# Altium PCB Copy of cam_5nd_v1.3.PcbDoc (part 1 of 2) (continued)
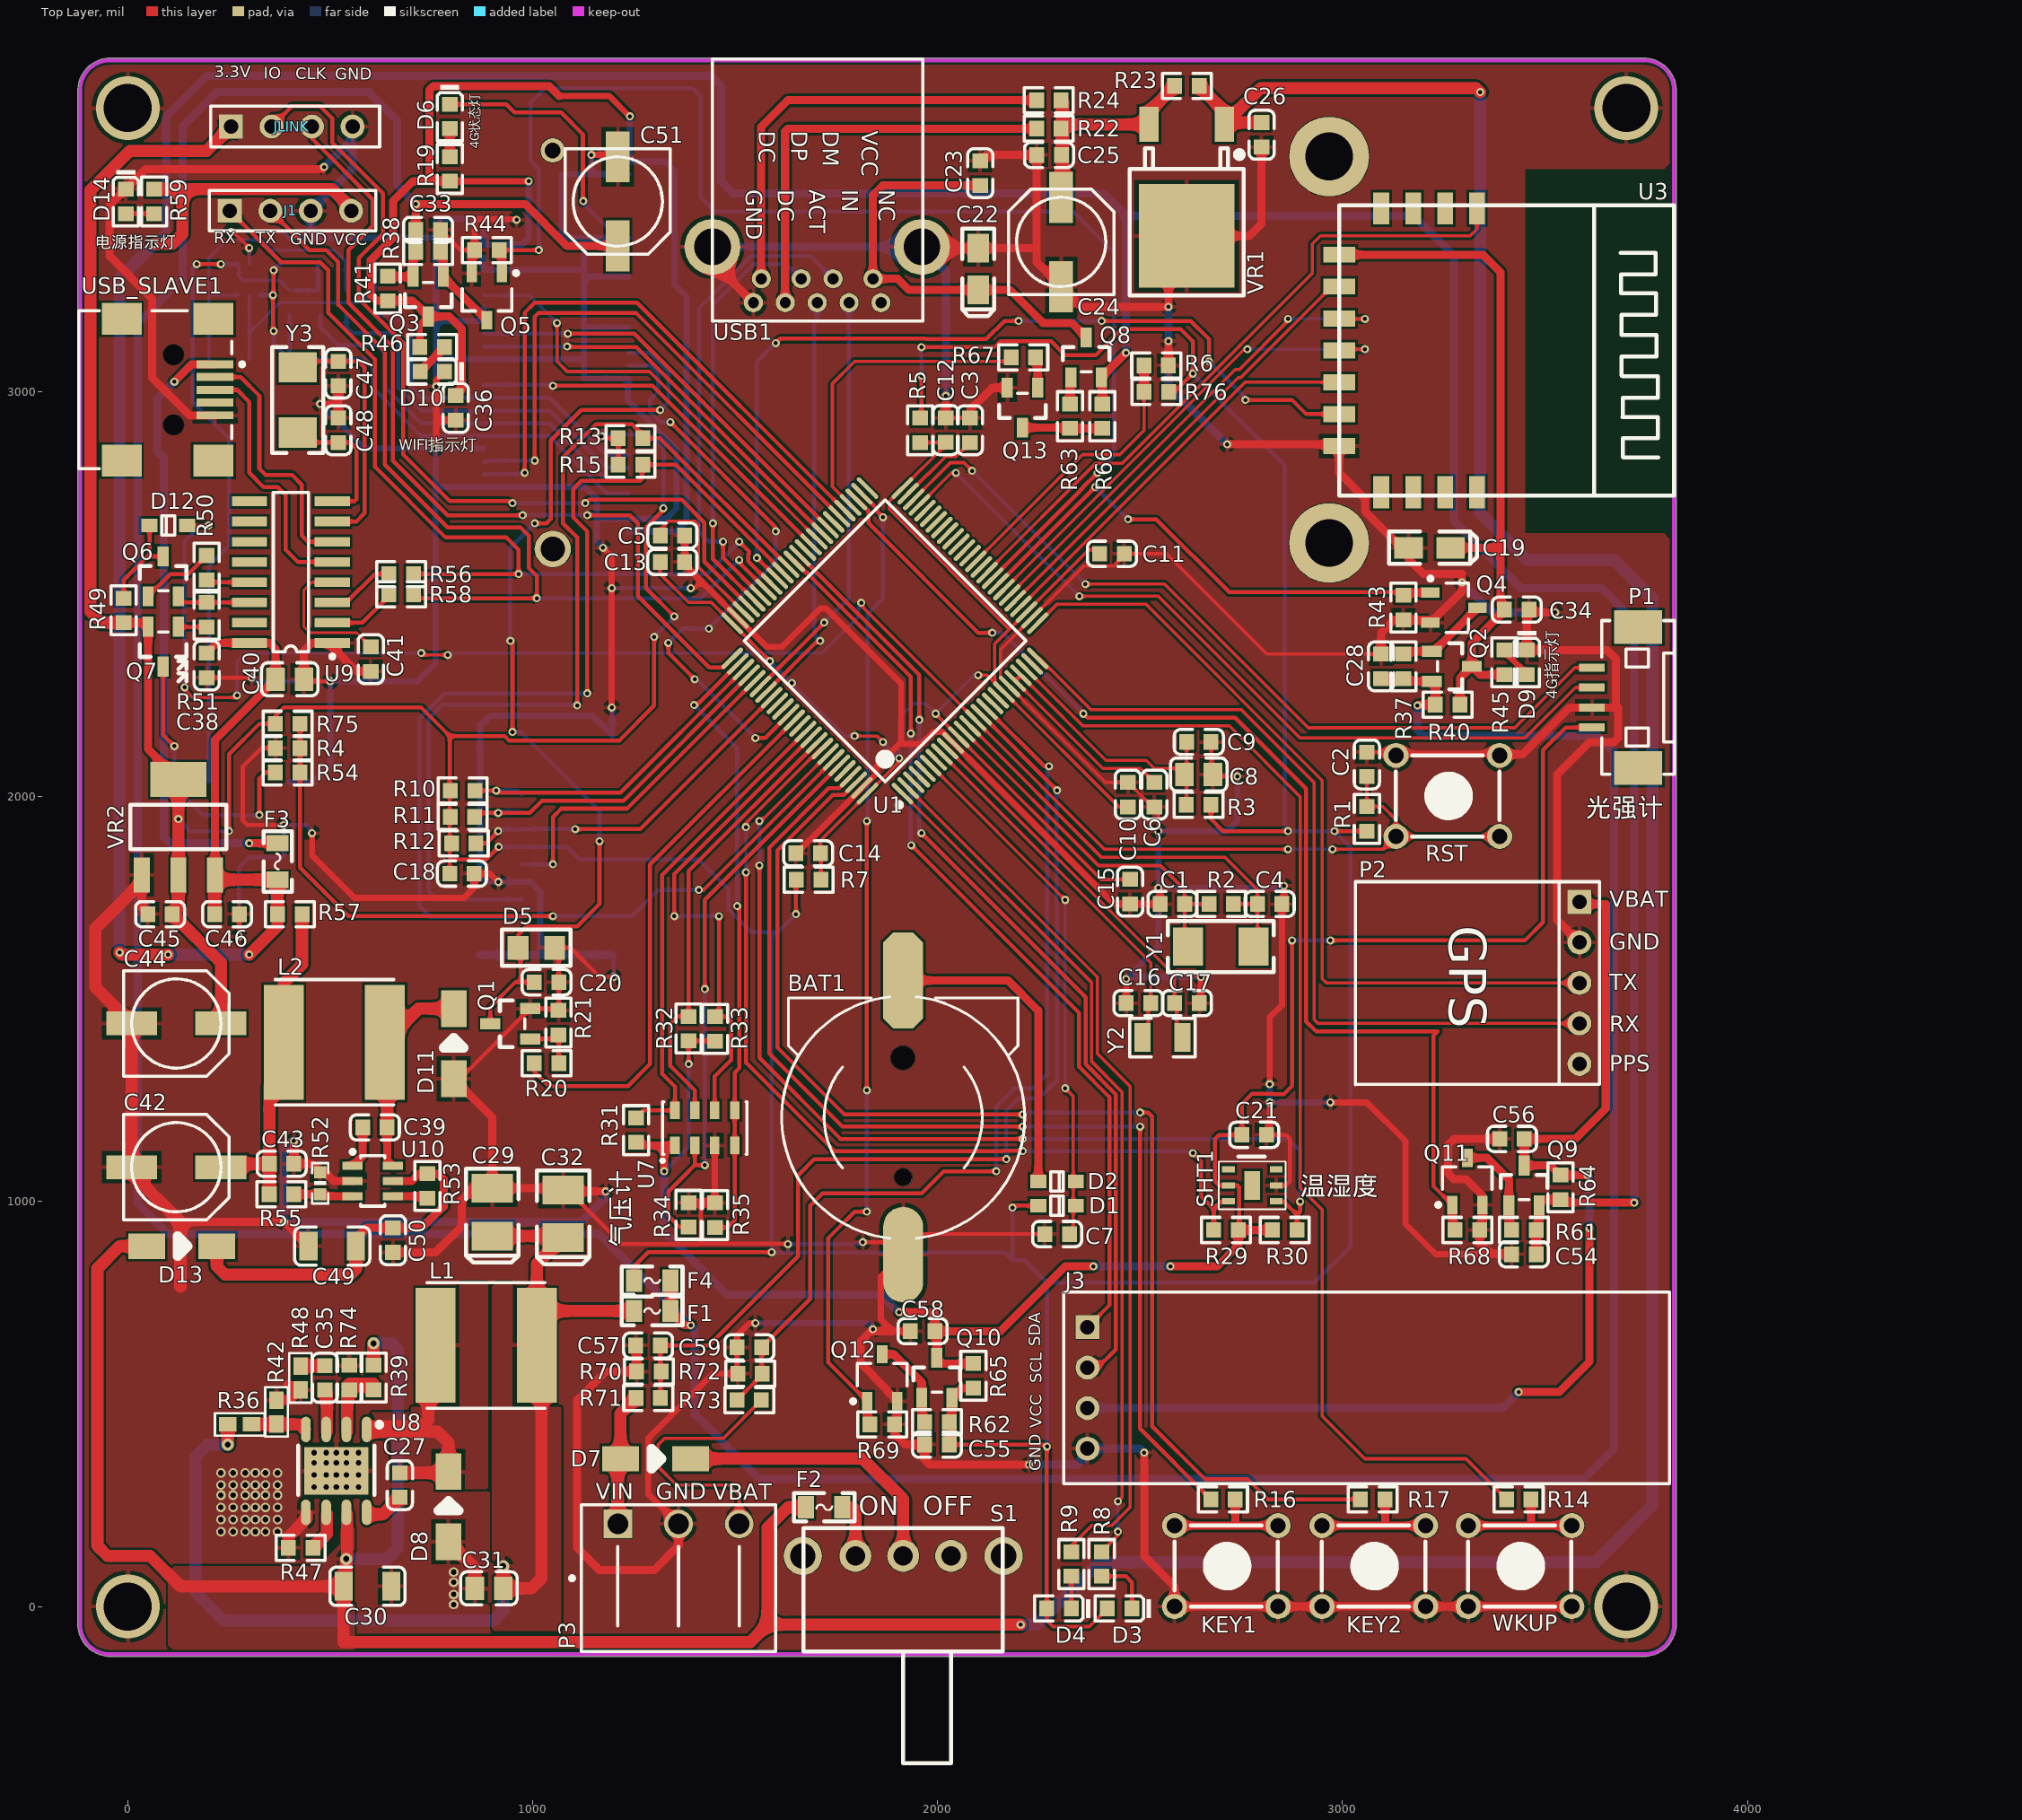
[diagram p0: Top Layer view]
## Components (designator, comment, footprint, x,y, rotation, side; value= is the part's Value field where it differs from the comment) (continued)
R44 "100KΩ (1003) ±1%" 0603_R 886.57,3350 r0 top
R45 "1KΩ (1001) ±1%" 0603_R 3400,2331.57 r90 top
R46 "1KΩ (1001) ±1%" 0603_R 751.57,3110 r0 top
R47 "200KΩ (2003) ±1%" 0603_R 426.89,145 r180 top
R48 "68.1k" R1608(0603) 426.89,564.53 r90 top
R49 "10KΩ (1002) ±1%" 0603_R -10,2460 r270 top
R50 "1KΩ (1001) ±1%" 0603_R 195,2565.32 r270 top
R51 "1KΩ (1001) ±1%" 0603_R 195,2449.69 r270 top
R52 "9.53K" 0603P 475,1045.39 r90 top
R53 "100KΩ (1003) ±1%" 0603_R 740,1038.7 r270 top
R54 "1KΩ (1001) ±1%" 0603_R 395,2060 r0 top
R55 "49.9KΩ (4992) ±1%" 0603_R 379.69,1018.39 r0 top
R56 "0Ω (0R0) ±1%" 0603_R 675,2550 r0 top
R57 "0Ω (0R0) ±1%" 0603_R 400,1710 r180 top
R58 "0Ω (0R0) ±1%" 0603_R 675,2500 r0 top
R59 "4.7KΩ (4701) ±1%" 0603_R 65,3470.32 r270 top
R61 "100KΩ (1003) ±1%" 0603_R 3447.8,930 r0 top
R62 "100KΩ (1003) ±1%" 0603_R 1998.11,455 r0 top
R63 "10KΩ (1002) ±1%" 0603_R 2326.89,2939.68 r90 top
R64 "0Ω (0R0) ±1%" 0603_R 3538.11,1035 r270 top
R65 "0Ω (0R0) ±1%" 0603_R 2088.11,569.69 r270 top
R66 "100KΩ (1003) ±1%" 0603_R 2406.89,2939.68 r90 top
R67 "4.7KΩ (4701) ±1%" 0603_R 2211.57,3085 r0 top
R68 "100KΩ (1003) ±1%" 0603_R 3308.43,930 r180 top
R69 "100KΩ (1003) ±1%" 0603_R 1863.11,450 r180 top
R70 "1KΩ (1001) ±0.1%" 0603_R 1286.89,580.04 r0 top
R71 "10KΩ (1002) ±0.1%" 0603_R 1285.32,515 r180 top
R72 "1KΩ (1001) ±0.1%" 0603_R 1536.89,575.04 r0 top
R73 "10KΩ (1002) ±0.1%" 0603_R 1534.68,510 r0 top
R74 "NC" 0603_R 546.89,565.32 r270 top
R75 "NC" 0603_R 395,2180 r0 top
R76 "NC" 0603_R 2540,3000 r180 top
R77 "15KΩ (1502) ±1%" 0603_R 400,3220 r270 bottom
R78 "22Ω (22R0) ±1%" 0603_R 540,3220.31 r90 bottom
R79 "22Ω (22R0) ±1%" 0603_R 470,3219.69 r270 bottom
R80 "22Ω (22R0) ±1%" 0603_R 610,3220.31 r90 bottom
RST "RESET" KEY_M 3131.89,2101.89 r0 top
S1 "SW_1" SS-12F23 1915,125 r270 top
SHT1 "SHT21" SHT21 2717.83,980.94 r0 top
U1 "STM32F407VGT6" LQFP-100_14x14x05P 1870,2385 r45 top
U2 "PICE-4G" MC2716 878.31,2639.33 r270 bottom
U3 "WIFI" ESP8266 2991.34,2751.89 r0 top
U5 "SIM" "SIM卡 翻盖式" 200,2036.69 r270 bottom
U6 "SMF05CT1G" SC-70-6(SOT-363) 300,3276.81 r270 bottom
U7 "MS5611" MS5611-01BA 1425,1181.89 r90 top
U8 "MP1584DN" SOIC-8_EP_150mil 515,335 r180 top
U9 "CH340G" SOP16M 402.64,2554.68 r90 top
U10 "MP2359" SOT-23-6 555,1088.19 r0 top
USB1 "camera" USB3.0 1961.18,3357.8 r180 top
USB_SLAVE1 "USB-B(Mini)" USB/SM0.8-6H5 -93.58,3004.8 r180 top
VR1 "CJ7812" TO-252-2-180 2615,3660.59 r270 top
VR2 "AMS1117-3.3" SOT-223 125,1925 r270 top
WKUP "KEY" KEY_M 3310,200 r0 top
Y1 "8MHz ±20ppm 20pF" SMD-5032_2P 2699.29,1630 r180 top
Y2 "32.768KHz ±20ppm 12.5pF" "SMD-3215_2P FC - 135" 2555,1405 r180 top
Y3 "12MHz" SMD-5032_2P 420,2980 r270 top

## Footprints (in the part's own frame and the unit in brackets; to place one, negate y for a bottom-side part, rotate by r counter-clockwise, add the part's x,y. Pads: shape width x height; smd on the part's side, far side on the other; paste and mask are expansions set on the pad)
"4P - JLINK" [mm] "Connector; Header; 4 Position"
  rect 1.5x1.5 hole 0.9: 1(0,0)
  round 1.5 hole 0.9: 2(2.54,0) 3(5.08,0) 4(7.62,0)
  silkscreen extent -1.27,-1.27 9.32,1.27
"4P - OLED" [mm] "Connector; Header; 4Position"
  rect 1.5x1.5 hole 0.9: 1(0,0)
  round 1.5 hole 0.9: 2(0,-2.54) 3(0,-5.08) 4(0,-7.62)
  silkscreen extent -1.5,-9.81 36.5,2.19
"4P - UART - 2" [mm] "Connector; Header; 4 Position"
  rect 1.5x1.5 hole 0.9: 1(0,0)
  round 1.5 hole 0.9: 2(2.54,0) 3(5.08,0) 4(7.62,0)
  silkscreen extent -1.27,-1.27 9.17,1.27
5p-gps [mm] "Connector; Header; 5 Position"
  rect 1.5x1.5 hole 0.9: 1(0,0)
  round 1.5 hole 0.9: 2(2.54,0) 3(5.08,0) 4(7.62,0) 5(10.16,0)
  silkscreen extent -1.27,-14.05 11.46,1.27
0603_C [mm]
  rect 0.93x0.98 smd: 1(-0.77,0) 2(0.77,0)
  silkscreen extent -1.53,-0.79 1.54,0.79, body extent -0.8,-0.4 0.8,0.4, height 0.3
0603_LED_S1 [mm]
  rect 0.93x0.98 smd: A(0.77,0) K(-0.77,0)
  silkscreen extent -1.98,-0.79 1.54,0.79, body extent -0.8,-0.4 0.8,0.4, height 0.6
0603_R [mm]
  rect 0.93x0.98 smd: 1(-0.77,0) 2(0.77,0)
  silkscreen extent -1.53,-0.79 1.54,0.79, body extent -0.85,-0.4 0.85,0.4, height 0.56
0603P [mil]
  rect 30x30 smd: 1(-27,0) 2(27.5,-0.06)
  silkscreen extent -50,-20 50,20
0805_C [mm]
  rect 1.16x1.47 smd: 1(-0.89,0) 2(0.89,0)
  silkscreen extent -1.77,-1.04 1.77,1.04, body extent -1,-0.62 1,0.63, height 0.77
1206_C [mm]
  rect 1.13x1.8 smd: 1(-1.49,0) 2(1.49,0)
  silkscreen extent -2.36,-1.2 2.35,1.2, body extent -1.6,-0.81 1.6,0.79, height 1
BATM [mm]
  round 1.1 hole 1.1 unplated: 0(0,3.748)
  round 1.5 hole 1.5 unplated: 0(0.025,-3.752)
  oct 2.5x6 smd: 1(0,-8.602)
  oval 2.5x6 smd: 2(0,8.598)
  silkscreen extent -7.62,-7.58 7.62,7.57
CASE-A_3216 [mm]
  rect 1.8x1.35 smd: 1(1.31,0) 2(-1.31,0)
  silkscreen extent -2.54,-1 2.97,1, body extent -1.7,-0.84 1.7,0.84, height 1.71
CASE-B_3528 [mm]
  rect 1.8x2.6 smd: 1(1.5,0) 2(-1.5,0)
  silkscreen extent -2.73,-1.65 3.16,1.65, body extent -1.85,-1.47 1.85,1.46, height 2.03
CC6.56.5 [mm]
  rect 3.2x1.5 smd: 1(-2.794,0) 2(2.8,0)
  silkscreen extent -3.3,-3.3 3.3,3.3
D0805 [mm]
  rect 1.3x1.5 smd: 1(-1.143,0) 2(1.143,0)
  silkscreen extent -2.16,-1.14 2.16,1.14, body extent -1,-0.63 1,0.63, height 0.6
ESP8266 [mm] "Anylink-ESP8266"
  rect 2x1 smd: 1(0,14.9) 2(0,12.9) 3(0,10.9) 4(0,8.9) 5(0,6.9) 6(0,4.9) 7(0,2.9)
  rect 1x2 smd: 8(2.65,0) 9(4.65,0) 10(6.65,0) 11(8.65,0) 12(8.65,17.8) 13(6.65,17.8) 14(4.65,17.8) 15(2.65,17.8)
  silkscreen extent 0,-0.2 21,18
"FU 0805" [mil] "贴片保险丝"
  rect 40x55 smd: 1(-45,0) 2(45,0)
  silkscreen extent -75,-35 75,35, body extent -39,-24 39,24, height 20
HDR_3R81X3_15EDG [mil] "HDR_3R81X3_15EDG"
  rect 70.87x70.87 / inner round 60 / far side rect 70.87x70.87 hole 51.18: 1(-150,133.86)
  round 70.87 / inner round 60 / far side round 70.87 hole 51.18: 2(0,133.86) 3(150,133.86)
  silkscreen extent -268,-181 241,181
KEY_M [mil]
  round 62 hole 38: 1(0,0) 1(255.91,0) 2(0,-200) 2(255.91,-200)
  silkscreen extent 0,-200 255,0
L_SOP74 [mm]
  rect 2.5x7.2 smd: 1(0,0) 2(6.35,0)
  silkscreen extent -0.51,-3.94 6.89,3.94
LQFP-100_14x14x05P [mm]
  oval 0.28x1.8 smd mask+0.051: 1(-6,-7.55) 2(-5.5,-7.55) 3(-5,-7.55) 4(-4.5,-7.55) 5(-4,-7.55) 6(-3.5,-7.55) 7(-3,-7.55) 8(-2.5,-7.55) 9(-2,-7.55) 10(-1.5,-7.55) 11(-1,-7.55) 12(-0.5,-7.55) 13(0,-7.55) 14(0.5,-7.55) 15(1,-7.55) 16(1.5,-7.55) 17(2,-7.55) 18(2.5,-7.55) 19(3,-7.55) 20(3.5,-7.55) 21(4,-7.55) 22(4.5,-7.55) 23(5,-7.55) 24(5.5,-7.55) 25(6,-7.55) 51(6,7.55) 52(5.5,7.55) 53(5,7.55) 54(4.5,7.55) 55(4,7.55) 56(3.5,7.55) 57(3,7.55) 58(2.5,7.55) 59(2,7.55) 60(1.5,7.55) 61(1,7.55) 62(0.5,7.55) 63(0,7.55) 64(-0.5,7.55) 65(-1,7.55) 66(-1.5,7.55) 67(-2,7.55) 68(-2.5,7.55) 69(-3,7.55) 70(-3.5,7.55) 71(-4,7.55) 72(-4.5,7.55) 73(-5,7.55) 74(-5.5,7.55) 75(-6,7.55)
  oval 1.8x0.28 smd mask+0.051: 26(7.55,-6) 27(7.55,-5.5) 28(7.55,-5) 29(7.55,-4.5) 30(7.55,-4) 31(7.55,-3.5) 32(7.55,-3) 33(7.55,-2.5) 34(7.55,-2) 35(7.55,-1.5) 36(7.55,-1) 37(7.55,-0.5) 38(7.55,0) 39(7.55,0.5) 40(7.55,1) 41(7.55,1.5) 42(7.55,2) 43(7.55,2.5) 44(7.55,3) 45(7.55,3.5) 46(7.55,4) 47(7.55,4.5) 48(7.55,5) 49(7.55,5.5) 50(7.55,6) 76(-7.55,6) 77(-7.55,5.5) 78(-7.55,5) 79(-7.55,4.5) 80(-7.55,4) 81(-7.55,3.5) 82(-7.55,3) 83(-7.55,2.5) 84(-7.55,2) 85(-7.55,1.5) 86(-7.55,1) 87(-7.55,0.5) 88(-7.55,0) 89(-7.55,-0.5) 90(-7.55,-1) 91(-7.55,-1.5) 92(-7.55,-2) 93(-7.55,-2.5) 94(-7.55,-3) 95(-7.55,-3.5) 96(-7.55,-4) 97(-7.55,-4.5) 98(-7.55,-5) 99(-7.55,-5.5) 100(-7.55,-6)
  silkscreen extent -6.8,-8.05 6.25,6.25
MC2716 [mm]
  round 1.524 hole 0.991: 0(-24.3,-4.35)
  round 2.286 hole 1.524: 0(0.7,-4.35)
  rect 0.4x2.5 smd: 1(0,0) 2(-0.4,-9.1) 3(-0.8,0) 4(-1.2,-9.1) 5(-1.6,0) 6(-2,-9.1) 7(-2.4,0) 8(-2.8,-9.1) 9(-3.2,0) 10(-3.6,-9.1) 11(-4,0) 12(-4.4,-9.1) 13(-4.8,0) 14(-5.2,-9.1) 15(-5.6,0) 16(-6,-9.1) 17(-9.6,0) 18(-10,-9.1) 19(-10.4,0) 20(-10.8,-9.1) 21(-11.2,0) 22(-11.6,-9.1) 23(-12,0) 24(-12.4,-9.1) 25(-12.8,0) 26(-13.2,-9.1) 27(-13.6,0) 28(-14,-9.1) 29(-14.4,0) 30(-14.8,-9.1) 31(-15.2,0) 32(-15.6,-9.1) 33(-16,0) 34(-16.4,-9.1) 35(-16.8,0) 36(-17.2,-9.1) 37(-17.6,0) 38(-18,-9.1) 39(-18.4,0) 40(-18.8,-9.1) 41(-19.2,0) 42(-19.6,-9.1) 43(-20,0) 44(-20.4,-9.1) 45(-20.8,0) 46(-21.2,-9.1) 47(-21.6,0) 48(-22,-9.1) 49(-22.4,0) 50(-22.8,-9.1) 51(-23.2,0) 52(-23.6,-9.1)
  round 5 hole 3: 53(-23.92,-53.05) 54(0.316,-53.05)
  rect 1.8x2.5 smd: 55(-26.95,0.15)
  rect 2x2.5 smd: 56(3.35,0.15)
  silkscreen extent -27.77,-55.66 4.24,-1.44
MS5611-01BA [mm] "SON, 8-Leads, Body 5.00x3.00mm, Pitch 1.25mm, IPC Medium Density"
  rect 1.1x0.6 smd: 1(-1.1,1.875) 2(-1.1,0.625) 3(-1.1,-0.625) 4(-1.1,-1.875) 5(1.1,-1.875) 6(1.1,-0.625) 7(1.1,0.625) 8(1.1,1.875)
  silkscreen extent -2.15,-2.65 1.65,2.75, body extent -1.5,-2.5 1.5,2.5, height 1.8
R1608(0603) [mm] "Chip Resistance, 2-Leads, Body 1.60x0.80mm, IPC Medium Density"
  rect 1.1x0.9 smd: 1(-0.75,0) 2(0.75,0)
  silkscreen extent -1.55,-0.7 1.55,0.72, body extent -0.88,-0.45 0.87,0.45, height 0.4
SC-70-6(SOT-363) [mm]
  rect 1x0.42 smd mask+0.051: 1(-0.97,0.65) 2(-0.97,0) 3(-0.97,-0.65) 4(0.97,-0.65) 5(0.97,0) 6(0.97,0.65)
  silkscreen extent -1.32,-1 0.2,1.52, body extent -1.2,-1.1 1.2,1.1, height 1.1
SDCARD_SLOT [mil] "500901-0801"
  rect 57x80 smd: 0(-270.67,-141.73) 0(-270.67,185.05) 0(270.67,-141.73) 0(270.67,185.05)
  rect 32x60 smd: 1(-125.98,82.68) 2(-82.68,82.68) 3(-39.37,82.68) 4(3.94,82.68) 5(47.24,82.68) 6(90.55,82.68) 7(133.86,82.68) 8(177.17,82.68)
  silkscreen extent -268,-285 268,285
SHT21 [mm]
  rect 0.8x0.4 smd: 1(3,0.5) 2(3,1.5) 3(3,2.5) 4(0,2.5) 5(0,1.5) 6(0,0.5)
  rect 1x1.8 smd: 8(1.5,1.5)
  silkscreen extent -0.6,0 3.6,3.3
"SIM卡 翻盖式" [mm]
  oval 3x1 smd: 1(-26.5,-5.08) 2(-26.5,-2.54) 3(-26.5,0) 4(0,-5.08) 5(0,-2.54) 6(0,0)
  silkscreen extent -27.1,-9.89 3.3,7.96
SMA(DO-214AC) [mm]
  rect 2.3x1.6 smd: 1(-2.2,0) 2(2.2,0)
  silkscreen extent -0.25,-0.64 0.38,0.64
"SMD-3215_2P FC - 135" [mm]
  rect 1x1.8 smd: 1(-1.25,0) 2(1.25,0)
  silkscreen extent -2.05,-1.2 2.05,1.2
SMD-5032_2P [mm]
  rect 1.9x2.4 smd: 1(-2.05,0) 2(2.05,0)
  silkscreen extent -3.32,-1.6 3.32,1.6
SOD-323 [mm]
  rect 1x0.83 smd: 1(1.18,0) 2(-1.18,0)
  silkscreen extent -0.4,-0.6 0.4,0.6, body extent -1.35,-0.62 1.35,0.63, height 1.1
SOIC-8_EP_150mil [mm]
  rect 4x3 smd: 0(0,0)
  oval 0.6x1.6 smd: 1(-1.905,-2.6) 2(-0.635,-2.6) 3(0.635,-2.6) 4(1.905,-2.6) 5(1.905,2.6) 6(0.635,2.6) 7(-0.635,2.6) 8(-1.905,2.6)
  silkscreen extent -2.85,-3.05 2.4,1.5
SOP16M [mm]
  rect 0.6x2.2 smd: 1(-4.445,-2.6) 2(-3.175,-2.6) 3(-1.905,-2.6) 4(-0.635,-2.6) 5(0.635,-2.6) 6(1.905,-2.6) 7(3.175,-2.6) 8(4.445,-2.6) 9(4.445,2.6) 10(3.175,2.6) 11(1.905,2.6) 12(0.635,2.6) 13(-0.635,2.6) 14(-1.905,2.6) 15(-3.175,2.6) 16(-4.445,2.6)
  silkscreen extent -5.42,-2.72 5,1.1
SOT-23(SOT-23-3) [mm]
  rect 1.25x0.7 smd: 1(1.25,-0.95) 2(1.25,0.95) 3(-1.25,0)
  silkscreen extent -0.65,-1.46 0.9,1.46, body extent -1.5,-1.5 1.5,1.5, height 1.3
SOT-23-3L [mm] "http://www.aosmd.com/res/packaging_information/SOT-23-3L.pdf"
  rect 1.15x0.65 smd: 1(1.475,-0.95) 2(1.475,0.95) 3(-1.475,0)
  silkscreen extent -0.9,-1.95 1.6,1.55, body extent -0.9,-1.55 0.9,1.55, height 1.25
SOT-23-6 [mil]
  rect 50x20 smd: 1(0,0) 2(0,-37.4) 3(0,-74.8) 4(100,-74.8) 5(100,-37.4) 6(100,0)
  silkscreen extent 0,-99 80,35
SOT-223 [mm]
  rect 2.2x1 smd: 1(3,-2.3) 2(3,0) 3(3,2.3)
  rect 2.2x3.5 smd: 2(-3,0)
  silkscreen extent -1.4,-3 1.4,3, body extent -3.49,-3.24 3.49,3.24, height 1.64
SS-12F23 [mm] "脚距3mm"
  round 2.4 hole 1.6: 0(0,6.3) 0(0,-6.3)
  round 2 hole 1.2: 1(0,3) 2(0,0) 3(0,-3)
  silkscreen extent -1.75,-6.25 13,6.25, body extent -0.61,-6.52 12.29,6.48, height 5.75
TO-252-2-180 [mm] "180度编带包装"
  rect 2.2x1.2 smd: 1(0,2.361) 3(0.004,-2.361)
  rect 6.5x6 smd: 2(7,0)
  silkscreen extent 1.5,-3.57 10.75,3.57, body extent -0.2,-3.27 9.74,3.27, height 2.44
"TX1.25 SMD-4P" [mm] "4脚贴片，长：10.25mm，宽：4.4mm，高：3.5mm"
  rect 2.1x3 smd: 0(-4.425,0) 0(4.425,0)
  rect 0.5x1.6 smd: 1(-1.875,2.9) 2(-0.625,2.9) 3(0.625,2.9) 4(1.875,2.9)
  silkscreen extent -4.83,-2.29 4.83,2.29
USB3.0 [mm]
  round 1.2 hole 0.7: 1(3.07,2) 2(5.57,2) 3(7.57,2) 4(10.07,2) 5(10.57,3.5) 6(8.57,3.5) 7(6.57,3.5) 8(4.57,3.5) 9(2.57,3.5)
  round 3.5 hole 2.3: 10(0,0) 10(13.14,0)
  silkscreen extent -0.07,-11.78 13.14,4.65
USB/SM0.8-6H5 [mm]
  rect 2.3x0.5 smd: 1(-7.85,-1.6) 2(-7.85,-0.8) 3(-7.85,0) 4(-7.85,0.8) 5(-7.85,1.6)
  rect 2.5x2 smd: 6(-7.75,4.45) 7(-1.996,4.45) 8(-7.75,-4.45) 9(-1.996,-4.45)
  round 0.6 hole 1.27 unplated: MH1(-5.25,2.2) MH2(-5.25,-2.2)
  silkscreen extent -9.68,-4.95 0.7,4.95

## Part data
BAT1: library part BAT
C1 C4 C47 C48: library part "0603 22pF (220) 5% 50V", "贴片电容", Package=0603, SuppliersPartNumber=C1653, ComponentLink1Description=供?, ComponentLink1URL=http://www.szlcsc.com/product/details_2005.html, Supplier=LC
C2 C6 C7 C9 C10 C11 C12 C13 C14 C15 C18 C20 C21 C23 C25 C27 C38 C41 C43 C45 C46 C50 C57 C59: library part "0603 100nF (104) 10% 50V", "贴片电容", Package=0603, SuppliersPartNumber=C14663, ComponentLink1Description=供?, ComponentLink1URL=http://www.szlcsc.com/product/details_15331.html, Supplier=LC
C3 C5: library part "0603 2.2uF (225) 10% 16V", "贴片电容", Package=0603, SuppliersPartNumber=C23630, ComponentLink1Description=供?, ComponentLink1URL=http://www.szlcsc.com/product/details_24366.html, Supplier=LC
C8 C40: library part "0805 10uF (106) 10% 25V", "贴片电容", Package=0805, SuppliersPartNumber=C15850, ComponentLink1Description=供?, ComponentLink1URL=http://www.szlcsc.com/product/details_16532.html, Supplier=LC
C16 C17: library part "0603 10pF (100) 5% 50V", "贴片电容", Package=0603, SuppliersPartNumber=C1634, ComponentLink1Description=供?, ComponentLink1URL=http://www.szlcsc.com/product/details_1986.html, Supplier=LC
C19 C22: library part "3216 10uF (106) 10% 16V", "钽电容", Package=3216, SuppliersPartNumber=C7171, ComponentLink1Description=供?, ComponentLink1URL=http://www.szlcsc.com/product/details_7643.html, Supplier=LC
C24 C42 C44 C51: library part CAP
C26: library part "0603 330nF (334) 10% 25V", "贴片电容", Package=0603, SuppliersPartNumber=C1615, ComponentLink1Description=供?, ComponentLink1URL=http://www.szlcsc.com/product/details_1967.html, Supplier=LC
C28 C33 C34 C36 C54 C55 C56 C58: library part "0603 1uF (105) 10% 50V", "贴片电容", Package=0603, SuppliersPartNumber=C15849, ComponentLink1Description=供?, ComponentLink1URL=http://www.szlcsc.com/product/details_16531.html, Supplier=LC
C29 C32: library part "3528 100uF (107) 10% 6.3V", "钽电容", Package=3528, SuppliersPartNumber=C16133, ComponentLink1Description=供?, ComponentLink1URL=http://www.szlcsc.com/product/details_16815.html, Supplier=LC
C30 C49: library part "1206 10uF (106) 10% 50V", "贴片电容", Package=1206, SuppliersPartNumber=C13585, ComponentLink1Description=供?, ComponentLink1URL=http://www.szlcsc.com/product/details_14236.html, Supplier=LC
C31: library part "0805 22uF (226) 20% 25V", "贴片电容", Package=0805, SuppliersPartNumber=C45783, ComponentLink1Description=供?, ComponentLink1URL=http://www.szlcsc.com/product/details_46786.html, Supplier=LC
C35: library part "0603 220pF (221) 10% 50V", "贴片电容", Package=0603, SuppliersPartNumber=C1603, ComponentLink1Description=供?, ComponentLink1URL=http://www.szlcsc.com/product/details_1955.html, Supplier=LC
C37 C60 C61 C62: library part "0603 33pF (330) 5% 50V", "贴片电容", Package=0603, SuppliersPartNumber=C1663, ComponentLink1Description=供?, ComponentLink1URL=http://www.szlcsc.com/product/details_2015.html, Supplier=LC
C39: library part "0603 10nF (103) 10% 50V", "贴片电容", Package=0603, SuppliersPartNumber=C57112, ComponentLink1Description=供?, ComponentLink1URL=http://www.szlcsc.com/product/details_58143.html, Supplier=LC
D1 D2 D12: library part "SOD-323 1N4148WS T4", "二极管", Package=SOD-323, SuppliersPartNumber=C2128, ComponentLink1Description=供?, ComponentLink1URL=http://www.szlcsc.com/product/details_2485.html, Supplier=LC
D3: library part "0603 绿灯", "发光二极管", Package=0603, SuppliersPartNumber=C72043, ComponentLink1Description=供?, ComponentLink1URL=http://www.szlcsc.com/product/details_73152.html, Supplier=LC
D4: library part "0603 黄灯", "发光二极管", Package=0603, SuppliersPartNumber=C72038, ComponentLink1Description=供?, ComponentLink1URL=http://www.szlcsc.com/product/details_73147.html, Supplier=LC
D5: "TVS,0805,5V", Package=SMB/DO-214AA, SuppliersPartNumber=C78395, ComponentLink1Description=供?, ComponentLink1URL=http://www.szlcsc.com/product/details_79530.html, Supplier=LC
D6 D9 D10: library part "0603 蓝灯", "发光二极管", Package=0603, SuppliersPartNumber=C72041, ComponentLink1Description=供?, ComponentLink1URL=http://www.szlcsc.com/product/details_73150.html, Supplier=LC
D7 D8 D11 D13: library part "D Schottky", "ST SS34"
D14: library part "0603 红灯", "发光二极管", Package=0603, SuppliersPartNumber=C2286, ComponentLink1Description=供?, ComponentLink1URL=http://www.szlcsc.com/product/details_2659.html, Supplier=LC
F1 F2 F3 F4: library part FU, "贴片保险丝"
J1 J3: "Header, 4-Pin", LatestRevisionDate=17-Jul-2002, LatestRevisionNote="Re-released for DXP Platform.", Publisher="Altium Limited"
J2: "TF卡座"
JLINK: library part Jlink, "Header, 4-Pin", LatestRevisionDate=17-Jul-2002, LatestRevisionNote="Re-released for DXP Platform.", Publisher="Altium Limited"
KEY1 KEY2 RST WKUP: library part KEY_M
L1 L2: library part L_SOP
P1: "GH1.25, 4-Pin", LatestRevisionDate=17-Jul-2002, LatestRevisionNote="Re-released for DXP Platform.", Publisher="Altium Limited"
P2: "Header, 5-Pin", LatestRevisionDate=17-Jul-2002, LatestRevisionNote="Re-released for DXP Platform.", Publisher="Altium Limited"
P3: library part 端子_3P, "端子4P"
Q1 Q6 Q13: library part "SOT-23 SS8050 Y1", "三极管", Package=SOT-23, SuppliersPartNumber=C2150, ComponentLink1Description=供?, ComponentLink1URL=http://www.szlcsc.com/product/details_2507.html, Supplier=LC
Q2 Q3 Q8 Q9 Q10: "MOS(场效应管)", Package=SOT-23(SOT-23-3), SuppliersPartNumber=C10487, ComponentLink1Description=供?, ComponentLink1URL=http://www.szlcsc.com/product/details_11030.html, Supplier=LC
Q4 Q5 Q11 Q12: "MOS(场效应管)", Package=SOT-23, SuppliersPartNumber=C20917, ComponentLink1Description=供?, ComponentLink1URL=http://www.szlcsc.com/product/details_21629.html, Supplier=LC
Q7: library part "SOT-23 SS8550 Y2", "三极管", Package=SOT-23, SuppliersPartNumber=C8542, ComponentLink1Description=供?, ComponentLink1URL=http://www.szlcsc.com/product/details_9037.html, Supplier=LC
R1 R4 R6 R14 R16 R17 R19 R29 R30 R49 R63 R71 R73 R75 R76: library part "0603 10KΩ (1002) 1%", "贴片电阻", Package=0603, SuppliersPartNumber=C25804, ComponentLink1Description=供?, ComponentLink1URL=http://www.szlcsc.com/product/details_26547.html, Supplier=LC
R2: library part "0603 1MΩ (1004) 1%", "贴片电阻", Package=0603, SuppliersPartNumber=C22935, ComponentLink1Description=供?, ComponentLink1URL=http://www.szlcsc.com/product/details_23662.html, Supplier=LC
R3: library part "0603 10Ω (10R0) 1%", "贴片电阻", Package=0603, SuppliersPartNumber=C22859, ComponentLink1Description=供?, ComponentLink1URL=http://www.szlcsc.com/product/details_23586.html, Supplier=LC
R5 R7 R22 R23 R24 R40 R41 R56 R57 R58 R64 R65: library part "0603 0Ω (0R0) 1%", "贴片电阻", Package=0603, SuppliersPartNumber=C21189, ComponentLink1Description=供?, ComponentLink1URL=http://www.szlcsc.com/product/details_21903.html, Supplier=LC
R8 R9 R34 R35 R45 R46 R50 R51 R54 R70 R72: library part "0603 1KΩ (1001) 1%", "贴片电阻", Package=0603, SuppliersPartNumber=C21190, ComponentLink1Description=供?, ComponentLink1URL=http://www.szlcsc.com/product/details_21904.html, Supplier=LC
R10 R11 R12 R13 R15: library part "0603 47KΩ (4702) 1%", "贴片电阻", Package=0603, SuppliersPartNumber=C25819, ComponentLink1Description=供?, ComponentLink1URL=http://www.szlcsc.com/product/details_26562.html, Supplier=LC
R20 R21 R31 R32 R33 R59 R67: library part "0603 4.7KΩ (4701) 1%", "贴片电阻", Package=0603, SuppliersPartNumber=C23162, ComponentLink1Description=供?, ComponentLink1URL=http://www.szlcsc.com/product/details_23889.html, Supplier=LC
R36 R42 R48: library part Res, "Resistor", LatestRevisionDate=17-Jul-2002, LatestRevisionNote="Re-released for DXP Platform.", Published=8-Jun-2000, Publisher="Altium Limited"
R37 R38 R39 R43 R44 R53 R61 R62 R66 R68 R69 R74: library part "0603 100KΩ (1003) 1%", "贴片电阻", Package=0603, SuppliersPartNumber=C25803, ComponentLink1Description=供?, ComponentLink1URL=http://www.szlcsc.com/product/details_26546.html, Supplier=LC
R47: library part "0603 200KΩ (2003) 1%", "贴片电阻", Package=0603, SuppliersPartNumber=C25811, ComponentLink1Description=供?, ComponentLink1URL=http://www.szlcsc.com/product/details_26554.html, Supplier=LC
R52: library part R
R55: library part "0603 49.9KΩ (4992) 1%", "贴片电阻", Package=0603, SuppliersPartNumber=C23184, ComponentLink1Description=供?, ComponentLink1URL=http://www.szlcsc.com/product/details_23911.html, Supplier=LC
R77: library part "0603 15KΩ (1502) 1%", "贴片电阻", Package=0603, SuppliersPartNumber=C22809, ComponentLink1Description=供?, ComponentLink1URL=http://www.szlcsc.com/product/details_23536.html, Supplier=LC
R78 R79 R80: library part "0603 22Ω (22R0) 1%", "贴片电阻", Package=0603, SuppliersPartNumber=C23345, ComponentLink1Description=供?, ComponentLink1URL=http://www.szlcsc.com/product/details_24078.html, Supplier=LC
U1: "ARM", Package=LQFP-100_14x14x05P, SuppliersPartNumber=C12345, ComponentLink1Description=供?, ComponentLink1URL=http://www.szlcsc.com/product/details_12968.html, Supplier=LC
U2: library part mini_PICE
U3: library part ESP8266
U5: "手机SIM卡"
U6: "TVS", Package=SC-70-6(SOT-363), SuppliersPartNumber=C15879, ComponentLink1Description=供?, ComponentLink1URL=http://www.szlcsc.com/product/details_16561.html, Supplier=LC
U7: library part MS5611-01BA01, "气压计"
U9: "USB2UART"
U10: "DC DC Step Down IC"
USB1: "camera;I/O;USB"
USB_SLAVE1: library part USB5
VR1: library part "TO-252-2 L78M05ABDT-TR", "低压差线性稳压(LDO)", Package=TO-252-2, SuppliersPartNumber=C58069, ComponentLink1Description=供?, ComponentLink1URL=http://www.szlcsc.com/product/details_59107.html, Supplier=LC
VR2: library part "SOT-223 AMS1117-3.3", "低压差线性稳压(LDO)", Package=SOT-223, SuppliersPartNumber=C6186, ComponentLink1Description=供?, ComponentLink1URL=http://www.szlcsc.com/product/details_6652.html, Supplier=LC
Y1 Y3: library part "SMD-5032_2P 8MHz 20ppm 20pF", "贴片晶振", Package=SMD-5032_2P, SuppliersPartNumber=C115962, ComponentLink1Description=供?, ComponentLink1URL=http://www.szlcsc.com/product/details_117214.html, Supplier=LC
Y2: library part "SMD-3215_2P 32.768KHz 20ppm 12.5pF", "贴片晶振", Package=SMD-3215_2P, SuppliersPartNumber=C32346, ComponentLink1Description=供?, ComponentLink1URL=http://www.szlcsc.com/product/details_33310.html, Supplier=LC
S1: ComponentLink1Description="Manufacturer Link", ComponentLink1URL=http://www.apem.com, DatasheetVersion=05-Dec-2000, LatestRevisionDate=17-Dec-2003, LatestRevisionNote="Schematic revised, PCB Footprint replaced.", PackageDescription="Switch; 4 Leads", PackageReference=TL36WW15050, Published=24-Mar-1999, Publisher="Altium Limited"

## Via types
v1: diameter 20, hole 10, Top Layer to Bottom Layer, 199 vias
v2: diameter 23.62, hole 13.78, Top Layer to Bottom Layer, 60 vias
v3: diameter 30, hole 15, Top Layer to Bottom Layer, 4 vias
v4: diameter 157.48, hole 118.11, Top Layer to Bottom Layer, 4 vias

## Nets (pads, with @x,y where several pads share a name; then routed paths per layer and width w, separated by ;. In a path a pad name is that pad's centre, name@x,y a point inside that pad or via, vN(x,y) a via of type N, cw(c..) or ccw(c..) an arc to the next point about the centre after c; other vN are vias at no path point)
3.3_4G: Q5.1 R44.2 U1.34 | length 3229.8
  Top Layer w10: R44.2@916.89,3350 v1(1015,3350) ; U1.34@2135.86,2539.51 2350,2753.64 2350,2755 2368.19,2773.19 2368.19,2773.7 2380.5,2786 2381,2786 v1(2395,2800)
  Top Layer w20: R44.2@916.89,3350 924.29,3342.6 Q5.1@924.29,3293.07
  Bottom Layer w10: v1(1015,3350) 1015,3550 995,3570 995,3715 1030,3750 1395,3750 1415,3730 1415,3480 1450,3445 2335,3445 2435,3345 2435,2840 v1(2395,2800)
3.3_Sensor: Q12.1 R69.2 U1.52 | length 2435.9
  Top Layer w10: U1.52@1812.93,2748.3 1850,2711.23 1850,2705 v1(1865,2690) ; v1(1825,975) 1795,975 1730,910 1730,602.64 Q12.1@1825.71,506.93 ; v1(1825,1275) v1(1825,1940)
  Top Layer w20: Q12.1@1825.71,506.93 1825.71,457.09 R69.2@1832.8,450
  Bottom Layer w10: v1(1825,975) v1(1825,1275) ; v1(1825,1940) 1827.5,1942.5 1827.5,2452.5 1865,2490 v1(1865,2690)
3.3_WIFI: Q4.1 R43.2 U1.33 | length 1281.1
  Top Layer w10: U1.33@2149.78,2525.59 v1(2389.19,2765) ; v1(2470,2685) 2540,2685 2720,2505 3142.52,2505 R43.2@3150,2497.52
  Top Layer w20: R43.2@3150,2497.52 3156.77,2504.29 Q4.1@3216.93,2504.29
  Bottom Layer w10: v1(2389.19,2765) 2470,2684.19 v1(2470,2685)
5_GPS: Q11.1 R68.2 U1.53 | length 2851
  Top Layer w10: U1.53@1799.01,2734.38 1800.62,2734.38 1829,2706 1829,2676 2100,2405 v1(2135,2405) ; v1(2360,2205) 2370,2195 2735,2195 2910,2020 2910,1445 2935,1420 3235,1420 3225,1410 3225,1037.64 Q11.1@3270.71,991.93
  Top Layer w20: Q11.1@3270.71,991.93 3270.71,937.4 R68.2@3278.11,930
  Bottom Layer w10: v1(2135,2405) 2160,2405 v1(2360,2205)
5_USB: R67.1 U1.54 | length 786.4
  Top Layer w8: U1.54@1785.09,2720.46 1740,2765.55 1740,3020 1795,3075 2171.26,3075 R67.1@2181.26,3085
A_CS: R35.2 U1.77 U7.4 U7.5 | length 1529.3
  Top Layer w10: v1(1398.77,2226.23) 1405,2226.23 U1.77@1506.7,2327.93 ; R35.2@1450,936.26 1481.26,936.26 1498.82,953.82 U7.4@1498.82,1138.58 U7.5@1498.82,1225.2 1498.82,1318.82 1510,1330 1510,1725 v1(1505,1730)
  Bottom Layer w10: v1(1398.77,2226.23) 1505,2120 v1(1505,1730)
A_MISO: R33.1 U1.90 U7.6 | length 1225.6
  Top Layer w10: v1(1350,1705) 1350,1809.32 U1.90@1687.66,2146.98 ; U7.6@1449.61,1225.2 1449.61,1309.61 1490,1350 1490,1445 1478.11,1456.89 R33.1@1450,1456.89 1460,1466.89 v1(1460,1705)
  Bottom Layer w10: v1(1350,1705) v1(1460,1705)
A_MOSI: R32.1 U1.91 U7.7 | length 1098.7
  Top Layer w10: U7.7@1400.39,1225.2 1400.39,1274.61 1340,1335 1340,1440 1357.52,1457.52 R32.1@1385,1457.52 1385,1816.48 U1.91@1701.57,2133.06
A_PS: R34.2 U1.95 U7.2 | length 1412.3
  Top Layer w10: R34.2@1385,936.89 1363.11,936.89 1335,965 1335,1025 1375,1065 1400,1090 ; U7.2@1400.39,1138.58 1400.39,1090.39 1400,1090 ; v1(1425,1090) 1400,1090 ; v1(1425,1525) 1425,1745.13 U1.95@1757.25,2077.38
  Bottom Layer w10: v1(1425,1090) v1(1425,1525)
A_SCLK: R31.1 U1.89 U7.8 | length 1198.9
  Top Layer w10: R31.1@1255,1206.89 1273.31,1225.2 U7.8@1351.18,1225.2 1351.18,1283.82 1320,1315 1320,1807.16 U1.89@1673.74,2160.9
ADC1: C57.2 R70.2 R71.1 U1.15 | length 2550.8
  Top Layer w10: R71.1@1315.63,515 1315.63,578.47 R70.2@1317.2,580.04 1315.31,581.93 C57.2@1315.31,645 1435,645 1655,865 1655,1065 1695,1105 v1(2170,1105) ; U1.15@2108.02,2202.66 v1(2295,2015.68)
  Bottom Layer w10: v1(2170,1105) 2170,1225 2200,1255 2250,1255 2295,1300 2295,1735.43 2294,1736.43 2294,2014.68 v1(2295,2015.68)
ADC2: C59.2 R72.2 R73.1 U1.16 | length 2341.9
  Top Layer w10: R73.1@1504.37,510 1565.31,570.95 C59.2@1565.31,640 1685,759.69 1685,990 1715,1020 1960,1020 2015,1075 v1(2145,1075) ; U1.16@2121.94,2216.57 2263.52,2075 v1(2275,2075)
  Bottom Layer w10: v1(2145,1075) 2145,1235 2190,1280 2235,1280 2270,1315 2270,2070 v1(2275,2075)
BOOT0: R4.1 R54.2 R75.2 U1.94 | length 1882.9
  Top Layer w10: R75.2@425.32,2180 R54.2@425.32,2060 425.32,1824.68 545,1705 v1(1050,1705) ; v1(1410,1770) 1422.03,1770 U1.94@1743.33,2091.3
  Bottom Layer w10: v1(1050,1705) 1245,1705 1310,1770 v1(1410,1770)
BOOT1: R6.1 R76.2 U1.37 | length 710
  Top Layer w8: U1.37@2094.1,2581.26 2357.84,2845 2450,2845 2509.68,2904.68 R76.2@2509.68,3000
  Top Layer w20: R6.1@2509.37,3065 2509.68,3064.69 R76.2@2509.68,3000
CH340_D+: U9.5 USB_SLAVE1.3 | length 647
  Top Layer w10: USB_SLAVE1.3@215.47,3004.81 269.81,3004.81 300,2974.61 300,2800 335,2765 370,2765 390.31,2744.68 390.31,2609.68 420.31,2579.68 U9.5@505,2579.68
CH340_D-: U9.6 USB_SLAVE1.2 | length 636.6
  Top Layer w10: USB_SLAVE1.2@215.47,3036.3 278.7,3036.3 325,2990 325,2810 340,2795 405,2795 430,2770 430,2645 445.31,2629.68 U9.6@505,2629.68
CH_RXD: R56.1 U9.3 | length 168.8
  Top Layer w10: U9.3@505,2479.68 539.69,2479.68 610,2550 R56.1@644.69,2550
CH_TXD: R58.1 U9.2 | length 171.9
  Top Layer w10: U9.2@505,2429.68 579.69,2429.68 644.69,2494.69 R58.1@644.69,2500
CLK_T: C60.1 R78.2 U5.3 U6.6 | length 776.5
  Bottom Layer w8: U5.3@200,3080 200,3235 ; U6.6@274.41,3238.62 203.62,3238.62 200,3235 ; C60.1@540,3319.68 509.69,3350 355,3350 330,3375 245,3375 200,3330 200,3235
  Bottom Layer w10: R78.2@540,3250.63 C60.1@540,3319.68
CONNECT: U1.81 USB1.8 | length 1038.4
  Top Layer w10: U1.81@1562.38,2272.25 v1(1720.13,2430)
  Bottom Layer w10: v1(1720.13,2430) 1780.94,2490.82 1780.94,3219.68 USB1.8@1781.26,3220
DATA_T: C37.1 R77.1 R79.1 U5.6 U6.1 | length 1746.5
  Top Layer w8: v1(170,3315) v1@175,3315
  Top Layer w10: v1@175,3315 v1(230,3315)
  Bottom Layer w8: U6.1@274.41,3315 274.41,3285.59 285,3275 375.31,3275 R77.1@400,3250.31 ; C37.1@475,3319.68 C37.1@475,3325
  Bottom Layer w10: v1(170,3315) 160,3305 160,2975 250,2885 250,2620 200,2570 U5.6@200,2036.69 ; v1(230,3315) U6.1@274.41,3315 ; R77.1@410,3250 R79.1@465,3250 ; R79.1@470,3250 470,3314.68 C37.1@475,3319.68
G_RXD: P2.3 U1.26 | length 2031.5
  Top Layer w8: U1.26@2247.22,2428.15 2294.07,2475 2515,2475 2950,2040 2950,1550 2960,1540 P2.3@3585,1540
G_TXD: P2.4 U1.25 | length 2053.9
  Top Layer w8: U1.25@2247.22,2341.85 2251.43,2341.85 2378.28,2215 2749.8,2215 2930,2034.8 2930,1450 2940,1440 P2.4@3585,1440